# Altium PCB Graviton-EC2.PcbDoc (part 6 of 12)
Units mil, origin at the board's own origin, x right, y up, seen from the top; angles counter-clockwise.
Board outline 7874.02 x 7874.02 mil, 10 copper layers (Top Layer, Internal Plane 1, Signal Layer 1, Internal Plane 2, Signal Layer 2, Signal Layer 3, Internal Plane 3, Signal Layer 4, Internal Plane 4, Bottom Layer), stack 65.914 mil thick; 1307 components, 1540 nets, 8037 pads, 1837 vias.
Unrouted connection lines stored in the file: 117.
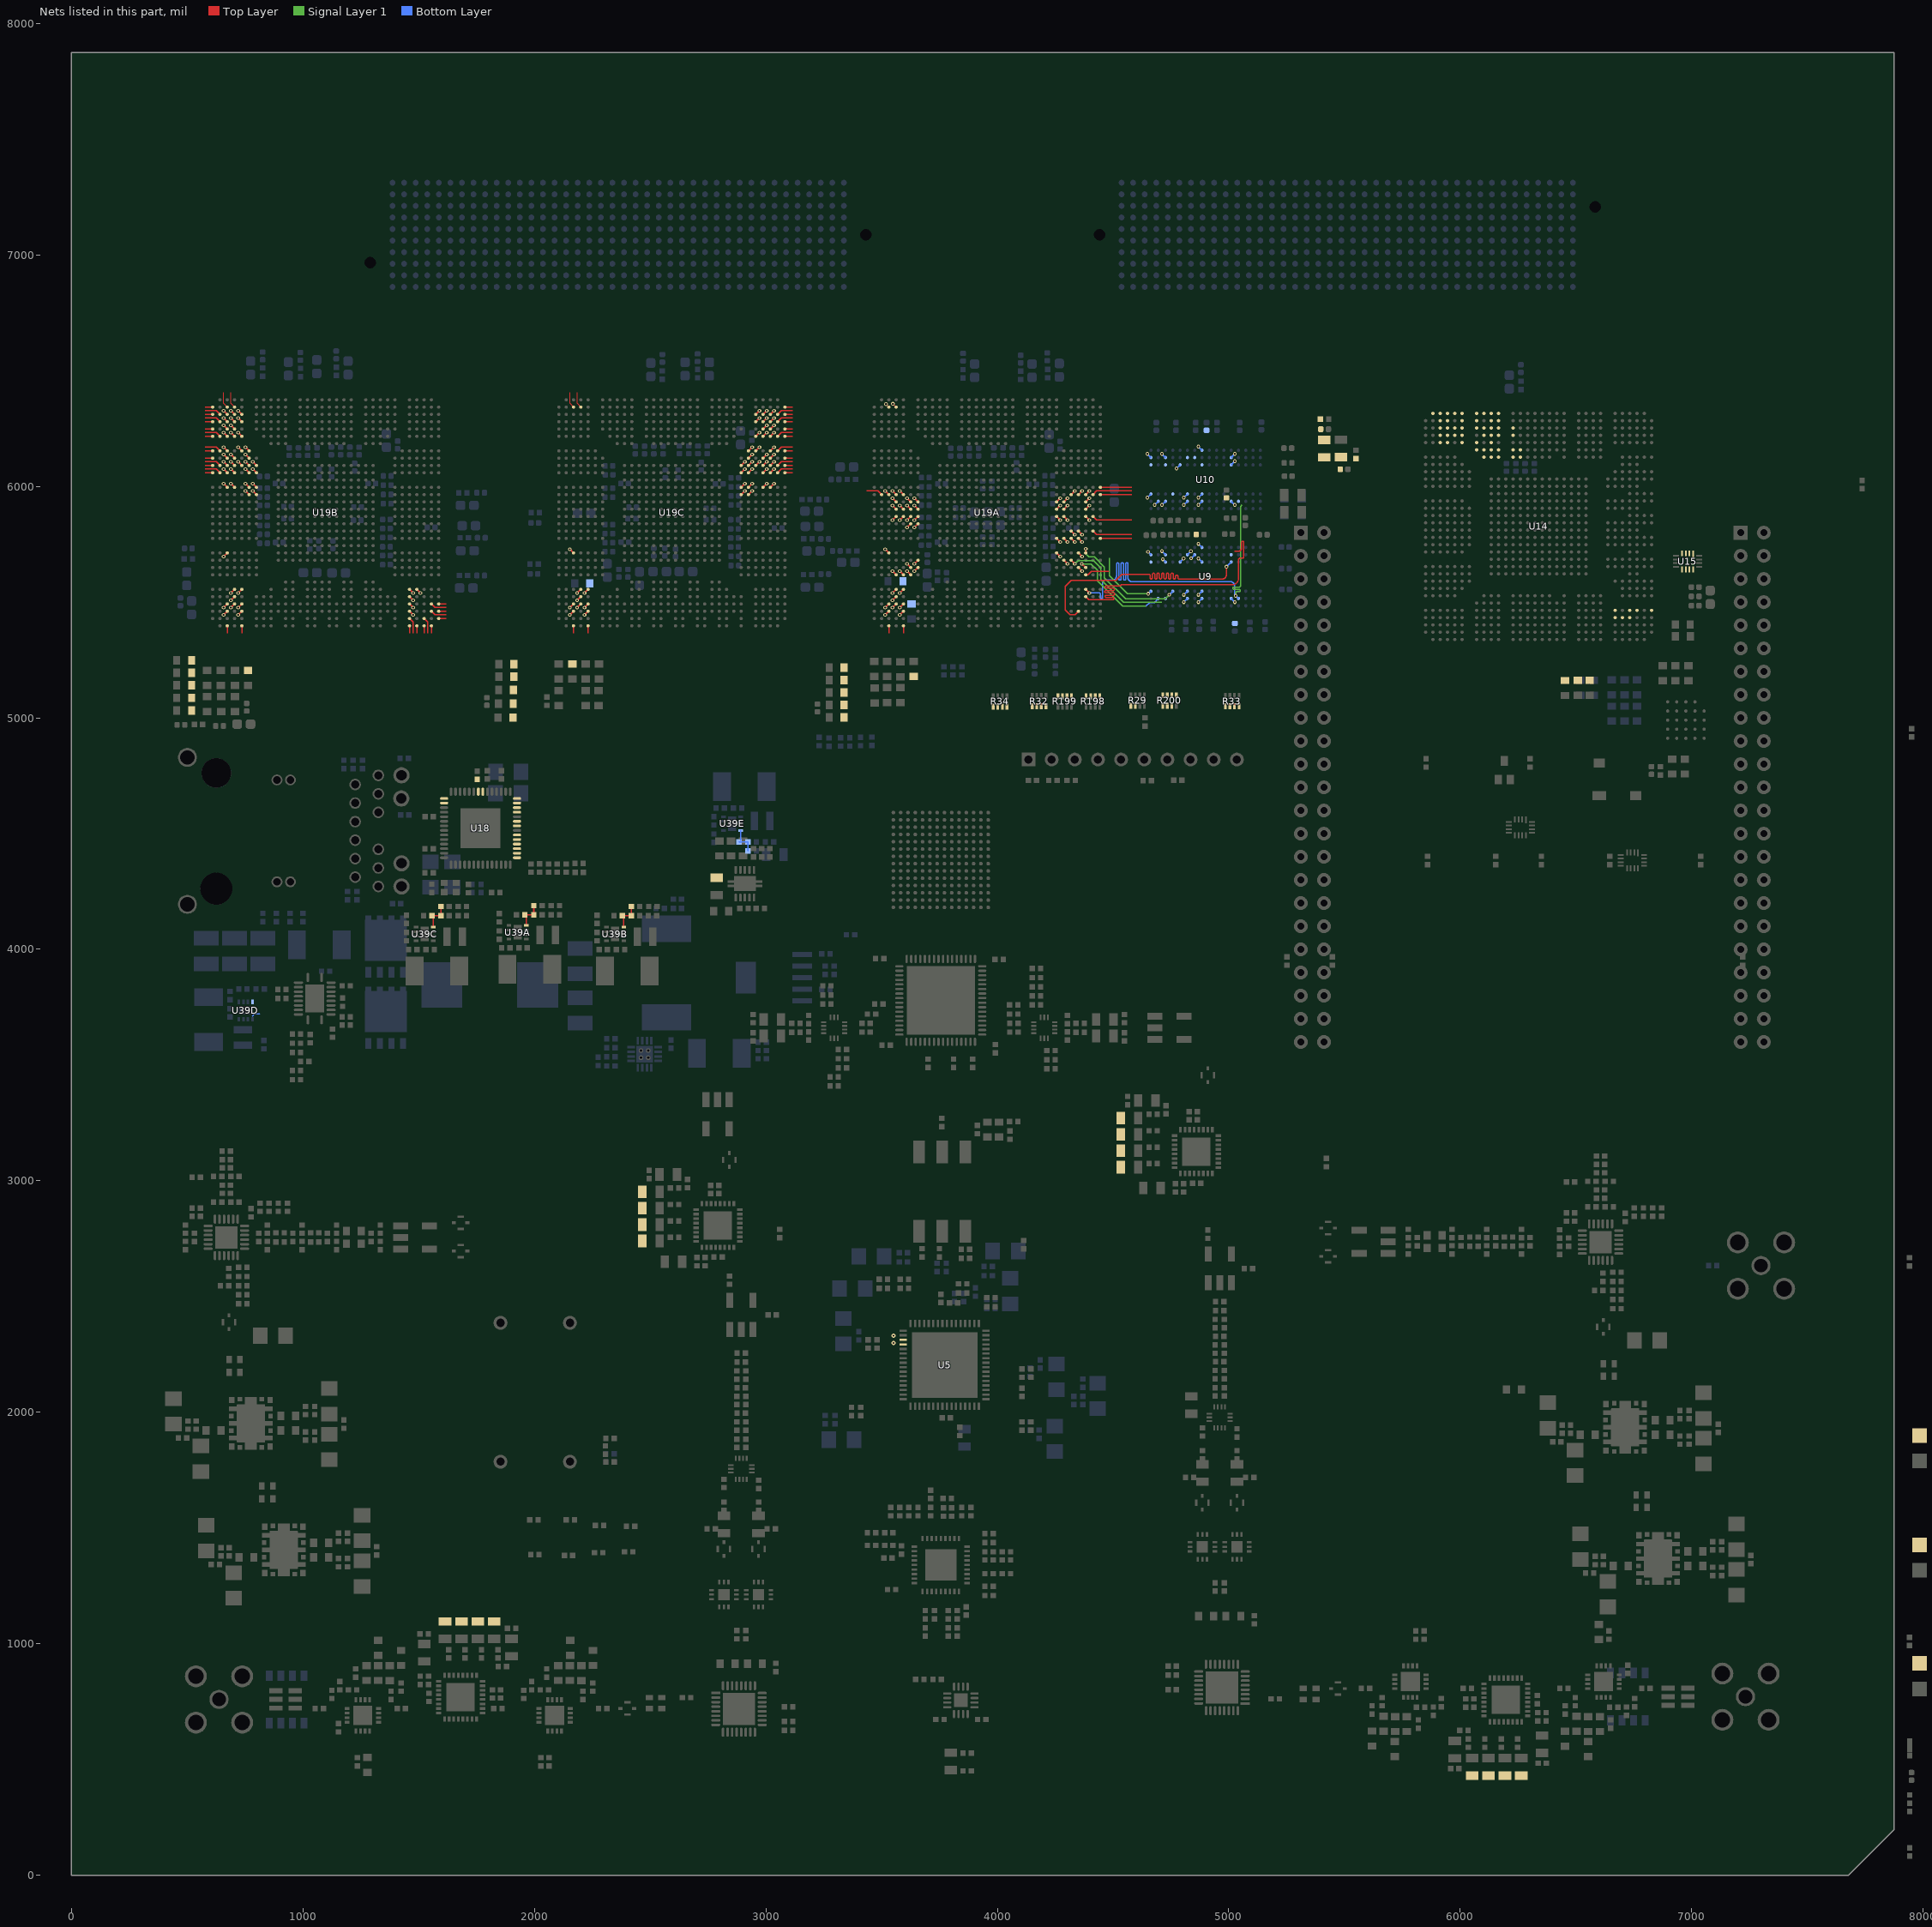
[diagram p14: the nets of this part, all layers, seen from the top]

## Via types
v1: diameter 16, hole 8, Top Layer to Bottom Layer, 1443 vias
v2: diameter 16, hole 8, Top Layer to Bottom Layer, tented top, 173 vias
v3: diameter 18, hole 8, Top Layer to Bottom Layer, 132 vias
v4: diameter 25.98, hole 8, Top Layer to Bottom Layer, tented top, 36 vias
v5: diameter 25.98, hole 12, Top Layer to Bottom Layer, tented top, 36 vias
v6: diameter 23.62, hole 11.81, Top Layer to Bottom Layer, 10 vias
v7: diameter 18, hole 8, Top Layer to Bottom Layer, tented bottom, 5 vias
v8: diameter 16, hole 8, Top Layer to Bottom Layer, tented both sides, 2 vias

## Nets (pads, with @x,y where several pads share a name; then routed paths per layer and width w, separated by ;. In a path a pad name is that pad's centre, name@x,y a point inside that pad or via, vN(x,y) a via of type N, cw(c..) or ccw(c..) an arc to the next point about the centre after c; other vN are vias at no path point) (continued)
DDR-BA0: R200.1 U9.M2 U10.M2 U19A.AH30 | length 1213.9
  Top Layer w4.72: U19A.AH30@4381.89,5523.62 4395.51,5510 4499,5510 ccw(c4499,5515) 4504,5515 ccw(c4499,5515) 4499,5520 4470,5520 cw(c4470,5525) 4465,5525 cw(c4470,5525) 4470,5530 4502.13,5530 ccw(c4502.13,5535) 4507.13,5535 ccw(c4502.13,5535) 4502.13,5540 4469.13,5540 cw(c4469.13,5545) 4464.13,5545 cw(c4469.13,5545) 4469.13,5550 4501,5550 ccw(c4501,5555) 4506,5555 ccw(c4501,5555) 4501,5560 4470,5560 cw(c4470,5565) 4465,5565 cw(c4469.14,5565) 4469.14,5569.14 ; 4470,5569.14 4502.13,5569.14 4530.39,5569.14 4536.89,5575.64 5017.39,5575.64 ccw(c5017.39,5600) 5041.75,5600
  Top Layer w4.75: 5026,5720.25 5043,5720.25 ccw(c5043,5732.25) 5055,5732.25 5055,5758 cw(c5060,5758) 5060,5763 cw(c5060,5758) 5065,5758 5065,5695 cw(c5060,5695) 5060,5690 5050,5690 ccw(c5050,5681.75) 5041.75,5681.75 5041.75,5600
  other v2: 5026,6140.25
DDR-BA1: R200.2 U9.N8 U10.N8 U19A.AG30 | length 1704
  Top Layer w5: U19A.AG30@4381.89,5555.12 v1(4397.64,5539.37)
  Signal Layer 1 w4.72: v2(5030,5527.25) 5030,5540 cw(c5035,5540) 5035,5545 5045,5545 ccw(c5045,5550) 5050,5550 ccw(c5045,5550) 5045,5555 5022.5,5555 cw(c5022.5,5560) 5017.5,5560 cw(c5022.5,5560) 5022.5,5565 5045,5565 ccw(c5045,5571) 5051,5571 5051,5913.25 5057.5,5919.75
  Bottom Layer w4.72: v1(4397.64,5539.37) 4397.64,5540 4440,5540 cw(c4440,5535) 4445,5535 4445,5520 ccw(c4450,5520) 4450,5515 ccw(c4450,5520) 4455,5520 4455,5585 cw(c4465,5585) 4465,5595 4497,5595 ccw(c4497,5613) 4515,5613 4515,5664.47 cw(c4520,5664.47) 4520,5669.47 cw(c4520,5664.47) 4525,5664.47 4525,5600 ccw(c4530,5600) 4530,5595 ccw(c4530,5600) 4535,5600 4535,5665 cw(c4540,5665) 4540,5670 cw(c4540,5665) 4545,5665 4545,5600 ccw(c4550,5600) 4550,5595 ccw(c4550,5600) 4555,5600 4555,5665 cw(c4560,5665) 4560,5670 cw(c4560,5665.25) 4564.75,5665.25 4564.75,5604.25 ccw(c4580,5604.25) 4580,5589 5006,5589 cw(c5006,5570) 5025,5570 5025,5532.25 v2(5030,5527.25) U9.N8@5041.75,5515.5
DDR-BA2: R200.3 U9.M3 U10.M3 U19A.AK29 | length 1236.1
  Top Layer w4.72: U19A.AK29@4350.39,5460.63 4335.76,5446 4314.37,5446 4294,5466.37 4294,5568.61 4319.11,5593.72 4512.72,5593.72 4539,5620 4655,5620 cw(c4655,5615) 4660,5615 4660,5605.06 ccw(c4665.06,5605.06) 4665.06,5600 ccw(c4665.06,5605) 4670.06,5605 4670.06,5620 ; 4685,5600 ccw(c4685,5605) 4685.06,5600 ; 4745.03,5600 ccw(c4745,5605) 4750,5605 4750,5620 cw(c4755,5620) 4755,5625 cw(c4755,5620) 4760,5620 4760,5605.06 ccw(c4765.06,5605.06) 4765.06,5600 ; 4745.06,5600 cw(c4745.06,5605.06) 4740,5605.06 4740,5620 ccw(c4735,5620) 4735,5625 ccw(c4735,5620) 4730,5620 4730,5605 cw(c4725,5605) 4725.03,5600 cw(c4725.06,5605.06) 4720,5605.06 4720,5620 ccw(c4715,5620) 4715,5625 ccw(c4715,5620) 4710,5620 4710,5605 cw(c4705,5605) 4705.03,5600 cw(c4705.06,5605.06) 4700,5605.06 4700,5620 ccw(c4695,5620) 4695,5625 ccw(c4695,5620) 4690,5620 4690,5605 cw(c4685,5605) 4685.06,5600 ; 4765.03,5600 ccw(c4765,5605) 4770,5605 4770,5612 cw(c4775,5612) 4775,5617 cw(c4775,5612) 4780,5612 4780,5605.06 ccw(c4785.06,5605.06) 4785.06,5600 4972,5600 ccw(c4972,5618) 4990,5618 v2(4990,5652.75) ; 4670.06,5620 cw(c4675.06,5620) 4675.06,5625 ; 4670.06,5620 cw(c4675.06,5620) 4675.06,5625 ; 4675.06,5625 cw(c4675.06,5620) 4680.06,5620 ; 4675.06,5625 cw(c4675.06,5620) 4680.06,5620 ; 4680.06,5605.06 ccw(c4685.12,5605.06) 4685.06,5600 ; 4680.06,5605.06 ccw(c4685.12,5605.06) 4685.06,5600 ; 4680.06,5605.06 4680.06,5620 ; 4685.06,5600 ccw(c4685.12,5605.06) 4685.12,5600 cw(c4685.12,5605.06) 4685.06,5600
  Bottom Layer w4.75: v2(4990,5652.75) U9.M3@5010.25,5673
  other v2: 5026,6108.75
DDR-D0: U10.E3 U19A.P28 | length 22.3
  Top Layer w5: U19A.P28@4318.9,5964.57 v1(4334.65,5980.32)
  other v2: 4774,6077.25
DDR-D1: U10.F7 U19A.P29 | length 22.3
  Top Layer w5: U19A.P29@4350.39,5964.57 v1(4366.14,5980.32)
  other v2: 4805.5,5951.25
DDR-D2: U10.F2 U19A.R26 | length 22.3
  Top Layer w5: U19A.R26@4255.91,5933.07 v1(4271.65,5948.82)
DDR-D3: U10.F8 U19A.T26 | length 22.3
  Top Layer w5: U19A.T26@4255.91,5901.57 v1(4271.65,5917.32)
  other v2: 4805.5,5919.75
DDR-D4: U10.H3 U19A.R27 | length 22.3
  Top Layer w5: U19A.R27@4287.4,5933.07 v1(4303.15,5948.82)
DDR-D5: U10.H8 U19A.T27 | length 22.3
  Top Layer w5: U19A.T27@4287.4,5901.57 v1(4303.15,5917.32)
  other v2: 4868.5,5919.75
DDR-D6: U10.G2 U19A.U27 | length 22.3
  Top Layer w5: U19A.U27@4287.4,5870.08 v1(4303.15,5854.33)
DDR-D7: U10.H7 U19A.U26 | length 22.3
  Top Layer w5: U19A.U26@4255.91,5870.08 v1(4271.65,5854.33)
  other v2: 4868.5,5951.25
DDR-D8: U10.D7 U19A.P31 | length 173.1
  Top Layer w4.72: U19A.P31@4413.39,5964.57 4429.13,5980.32 4580,5980.32
DDR-D9: U10.C3 U19A.P30 | length 22.3
  Top Layer w5: U19A.P30@4381.89,5964.57 v1(4397.64,5980.32)
DDR-D10: U10.C8 U19A.R30 | length 22.3
  Top Layer w5: U19A.R30@4381.89,5933.07 v1(4397.64,5948.82)
  other v2: 4711,5919.75
DDR-D11: U10.C2 U19A.T30 | length 22.3
  Top Layer w5: U19A.T30@4381.89,5901.57 v1(4397.64,5917.32)
  other v2: 4711,6140.25
DDR-D12: U10.A7 U19A.N32 | length 135.1
  Top Layer w4.72: U19A.N32@4444.88,5996.06 4580,5996.06
  other v2: 4648,5951.25
DDR-D13: U10.A2 U19A.P32 | length 135.1
  Top Layer w4.72: U19A.P32@4444.88,5964.57 4580,5964.57
  other v2: 4648,6140.25
DDR-D14: U10.B8 U19A.U31 | length 173.1
  Top Layer w4.72: U19A.U31@4413.39,5870.08 4429.13,5854.33 4580,5854.33
  other v2: 4679.5,5919.75
DDR-D15: U10.A3 U19A.U30 | length 22.3
  Top Layer w5: U19A.U30@4381.89,5870.08 v1(4397.64,5854.33)
DDR-D16: U9.E3 U19A.Y26 | length 43.8
  Top Layer w5: U19A.Y26@4255.91,5775.59 v1(4271.65,5759.84)
  Bottom Layer w4.75: U9.E3@4789.75,5673 v2(4805,5688.25)
DDR-D17: U9.F7 U19A.Y27 | length 22.3
  Top Layer w5: U19A.Y27@4287.4,5775.59 v1(4303.15,5759.84)
  other v2: 4805.5,5531.25
DDR-D18: U9.F2 U19A.Y28 | length 43.8
  Top Layer w5: U19A.Y28@4318.9,5775.59 v1(4334.65,5759.84)
  Bottom Layer w4.75: U9.F2@4821.25,5704.5 v2(4836.5,5719.75)
DDR-D19: U9.F8 U19A.W28 | length 22.3
  Top Layer w5: U19A.W28@4318.9,5807.09 v1(4334.65,5791.34)
  other v2: 4805.5,5499.75
DDR-D20: U9.H3 U19A.Y29 | length 43.8
  Top Layer w5: U19A.Y29@4350.39,5775.59 v1(4366.14,5759.84)
  Bottom Layer w4.75: v2(4869,5688.25) U9.H3@4884.25,5673
DDR-D21: U9.H8 U19A.W29 | length 22.3
  Top Layer w5: U19A.W29@4350.39,5807.09 v1(4366.14,5791.34)
  other v2: 4868.5,5499.75
DDR-D22: U9.G2 U19A.AB26 | length 43.8
  Top Layer w5: U19A.AB26@4255.91,5712.6 v1(4271.65,5696.85)
  Bottom Layer w4.75: v2(4837.5,5689.25) U9.G2@4852.75,5704.5
DDR-D23: U9.H7 U19A.AC27 | length 22.3
  Top Layer w5: U19A.AC27@4287.4,5681.1 v1(4303.15,5665.35)
  other v2: 4868.5,5531.25
DDR-D24: U9.D7 U19A.AB30 | length 538.9
  Top Layer w5: U19A.AB30@4381.89,5712.6 4380,5714.49 4382,5716.49 v1(4382,5730)
  Signal Layer 1 w4.75: 4395,5695 4420,5695 4463,5652 4463,5604.89 4553.89,5514 4725.25,5514 v2(4743,5531.75)
  Signal Layer 1 w5: v1(4382,5730) 4382,5708 4395,5695
  Bottom Layer w4.75: v2(4743,5531.75) U9.D7@4758.25,5547
DDR-D25: U9.C3 U19A.AB29 | length 39.2
  Top Layer w5: U19A.AB29@4350.39,5712.6 v1(4366.14,5696.85)
  Bottom Layer w4.75: v2(4714.75,5685) U9.C3@4726.75,5673
DDR-D26: U9.C8 U19A.AC28 | length 508.8
  Top Layer w5: U19A.AC28@4318.9,5681.1 v1(4334.65,5665.35)
  Signal Layer 1 w4.75: 4415,5680 4446.65,5648.35 4446.65,5598.11 4545.01,5499.75 4711,5499.75
  Signal Layer 1 w5: v1(4334.65,5665.35) 4349.29,5680 4415,5680
DDR-D27: U9.C2 U19A.AD29 | length 22.3
  Top Layer w5: U19A.AD29@4350.39,5649.61 v1(4366.14,5633.86)
  other v2: 4711,5720.25
DDR-D28: U9.A7 U19A.W31 | length 464.8
  Top Layer w4.72: U19A.W31@4413.39,5807.09 4429.13,5791.34 4580,5791.34
  Signal Layer 1 w4.75: 4485,5690 4485,5614 4563,5536 v2(4652,5536)
  Bottom Layer w4.75: v2(4652,5536) 4652.75,5536 U9.A7@4663.75,5547
DDR-D29: U9.A2 U19A.Y32 | length 153.1
  Top Layer w4.72: U19A.Y32@4444.88,5775.59 4580,5775.59
  Bottom Layer w4.75: v2(4651,5717.25) U9.A2@4663.75,5704.5
DDR-D30: U9.B8 U19A.AD30 | length 470.1
  Top Layer w5: v1(4365,5665) 4366.5,5665 U19A.AD30@4381.89,5649.61
  Signal Layer 1 w4.75: 4431.98,5638.02 4431.98,5592.04 4542.01,5482 4641.42,5482
  Signal Layer 1 w5: v1(4365,5665) 4405,5665 4431.98,5638.02
  Bottom Layer w4.75: 4641.42,5482 4657.8,5498.38 4678.12,5498.38 U9.B8@4695.25,5515.5
DDR-D31: U9.A3 U19A.AE30 | length 106.7
  Top Layer w4.75: U19A.AE30@4381.89,5618.11 4392.03,5618.11 4406.49,5632.57 4482.57,5632.57
DDRCC2.S0C: U19C.P27 | length 22.3
  Top Layer w5: U19C.P27@2925.2,5964.57 v1(2940.94,5980.32)
DDRCC2.S1C: U19C.P26 | length 22.3
  Top Layer w5: U19C.P26@2893.7,5964.57 v1(2909.45,5980.32)
DDRCC2.S2C: U19C.N26 | length 22.3
  Top Layer w5: U19C.N26@2893.7,5996.06 v1(2909.45,6011.81)
DDRCC2.S3C: U19C.N27 | length 22.3
  Top Layer w5: U19C.N27@2925.2,5996.06 v1(2940.94,6011.81)
DDRCC2.S4C: U19C.L27 | length 22.3
  Top Layer w5: U19C.L27@2925.2,6059.06 v1(2940.94,6074.8)
DDRCC2.S5C: U19C.L26 | length 22.3
  Top Layer w5: U19C.L26@2893.7,6059.06 v1(2909.45,6074.8)
DDRCC2.S6C: U19C.N29 | length 22.3
  Top Layer w5: U19C.N29@2988.19,5996.06 v1(3003.94,6011.81)
DDRCC2.S7C: U19C.N30 | length 22.3
  Top Layer w5: U19C.N30@3019.69,5996.06 v1(3035.43,6011.81)
DDRCC2.S8C: U19C.L29 | length 22.3
  Top Layer w5: U19C.L29@2988.19,6059.06 v1(3003.94,6074.8)
DDRCC2.S9C: U19C.K28 | length 22.3
  Top Layer w5: U19C.K28@2956.69,6090.55 v1(2972.44,6106.3)
DDRCC2.S10C: U19C.K26 | length 22.3
  Top Layer w5: U19C.K26@2893.7,6090.55 v1(2909.45,6106.3)
DDRCC2.S11C: U19C.K27 | length 22.3
  Top Layer w5: U19C.K27@2925.2,6090.55 v1(2940.94,6106.3)
DDRCC2.S12C: U19C.J27 | length 22.3
  Top Layer w5: U19C.J27@2925.2,6122.05 v1(2940.94,6137.8)
DDRCC2.S13C: U19C.H28 | length 22.3
  Top Layer w5: U19C.H28@2956.69,6153.54 v1(2972.44,6169.29)
DDRCC2.S14C: U19C.H27 | length 22.3
  Top Layer w5: U19C.H27@2925.2,6153.54 v1(2940.94,6169.29)
DDRCC2.S15C: U19C.K29 | length 22.3
  Top Layer w5: U19C.K29@2988.19,6090.55 v1(3003.94,6106.3)
DDRCC2.S16C: U19C.J29 | length 22.3
  Top Layer w5: U19C.J29@2988.19,6122.05 v1(3003.94,6137.8)
DDRCC2.S17C: U19C.L30 | length 22.3
  Top Layer w5: U19C.L30@3019.69,6059.06 v1(3035.43,6074.8)
DDRCC2.S18C: U19C.L31 | length 70.1
  Top Layer w4.72: U19C.L31@3051.18,6059.06 3066.93,6074.8 3114.76,6074.8
DDRCC2.S19C: U19C.L32 | length 32.1
  Top Layer w4.72: U19C.L32@3082.68,6059.06 3114.76,6059.06
DDRCC2.S20C: U19C.K32 | length 32.1
  Top Layer w4.72: U19C.K32@3082.68,6090.55 3114.76,6090.55
DDRCC2.S21C: U19C.J32 | length 32.1
  Top Layer w4.72: U19C.J32@3082.68,6122.05 3114.76,6122.05
DDRCC2.S22C: U19C.K31 | length 70.1
  Top Layer w4.72: U19C.K31@3051.18,6090.55 3066.93,6106.3 3114.76,6106.3
DDRCC2.S23C: U19C.K30 | length 22.3
  Top Layer w5: U19C.K30@3019.69,6090.55 v1(3035.43,6106.3)
DDRCC2.S24C: U19C.J30 | length 22.3
  Top Layer w5: U19C.J30@3019.69,6122.05 v1(3035.43,6137.8)
DDRCC2.S25C: U19C.H30 | length 22.3
  Top Layer w5: U19C.H30@3019.69,6153.54 v1(3035.43,6169.29)
DDRCC2.S26C: U19C.H31 | length 70.1
  Top Layer w4.72: U19C.H31@3051.18,6153.54 3066.93,6169.29 3114.76,6169.29
DDRCC2.S27C: U19C.H32 | length 32.1
  Top Layer w4.72: U19C.H32@3082.68,6153.54 3114.76,6153.54
DDRCC2.S28C: U19C.F32 | length 32.1
  Top Layer w4.72: U19C.F32@3082.68,6216.54 3114.76,6216.54
DDRCC2.S29C: U19C.E32 | length 32.1
  Top Layer w4.72: U19C.E32@3082.68,6248.03 3114.76,6248.03
DDRCC2.S30C: U19C.F31 | length 70.1
  Top Layer w4.72: U19C.F31@3051.18,6216.54 3066.93,6232.28 3114.76,6232.28
DDRCC2.S31C: U19C.D32 | length 32.1
  Top Layer w4.72: U19C.D32@3082.68,6279.53 3114.76,6279.53
DDRCC2.S32C: U19C.C32 | length 32.1
  Top Layer w4.72: U19C.C32@3082.68,6311.02 3114.76,6311.02
DDRCC2.S33C: U19C.E30 | length 22.3
  Top Layer w5: U19C.E30@3019.69,6248.03 v1(3035.43,6263.78)
DDRCC2.S34C: U19C.F30 | length 22.3
  Top Layer w5: U19C.F30@3019.69,6216.54 v1(3035.43,6232.28)
DDRCC2.S35C: U19C.D31 | length 70.1
  Top Layer w4.72: U19C.D31@3051.18,6279.53 3066.93,6295.28 3114.76,6295.28
DDRCC2.S36C: U19C.D30 | length 22.3
  Top Layer w5: U19C.D30@3019.68,6279.53 v1(3035.43,6295.28)
DDRCC2.S37C: U19C.C31 | length 70.1
  Top Layer w4.72: U19C.C31@3051.18,6311.02 3066.93,6326.77 3114.76,6326.77
DDRCC2.S38C: U19C.B32 | length 32.1
  Top Layer w4.72: U19C.B32@3082.68,6342.52 3114.76,6342.52
DDRCC2.S39C: U19C.F28 | length 22.3
  Top Layer w5: U19C.F28@2956.69,6216.54 v1(2972.44,6232.28)
DDRCC2.S40C: U19C.F29 | length 22.3
  Top Layer w5: U19C.F29@2988.19,6216.54 v1(3003.94,6232.28)
DDRCC2.S41C: U19C.E29 | length 22.3
  Top Layer w5: U19C.E29@2988.19,6248.03 v1(3003.94,6263.78)
DDRCC2.S42C: U19C.D29 | length 22.3
  Top Layer w5: U19C.D29@2988.19,6279.53 v1(3003.94,6295.28)
DDRCC2.S43C: U19C.C30 | length 22.3
  Top Layer w5: U19C.C30@3019.69,6311.02 v1(3035.43,6326.77)
DDRCC2.S44C: U19C.C29 | length 22.3
  Top Layer w5: U19C.C29@2988.19,6311.02 v1(3003.94,6326.77)
DDRCC2.S45C: U19C.D28 | length 22.3
  Top Layer w5: U19C.D28@2956.69,6279.53 v1(2972.44,6295.28)
DDRCC2.S46C: U19C.C28 | length 22.3
  Top Layer w5: U19C.C28@2956.69,6311.02 v1(2972.44,6326.77)
DDRCC6.S47A: U19A.AB3 | length 22.3
  Top Layer w5: v1(3515.75,5728.35) U19A.AB3@3531.5,5712.6
DDRCC6.S47B: U19B.AB3 | length 22.3
  Top Layer w5: v1(657.48,5696.85) U19B.AB3@673.23,5712.6
DDRCC6.S47C: U19C.AB3 | length 22.3
  Top Layer w5: v1(2153.54,5728.35) U19C.AB3@2169.29,5712.6
DDRCC7.S0B: U19B.P6 | length 22.3
  Top Layer w5: v1(751.97,5980.32) U19B.P6@767.72,5964.57
DDRCC7.S1B: U19B.P7 | length 22.3
  Top Layer w5: v1(783.46,5980.32) U19B.P7@799.21,5964.57
DDRCC7.S2B: U19B.C4 | length 22.3
  Top Layer w5: v1(688.98,6326.77) U19B.C4@704.72,6311.02
DDRCC7.S3B: U19B.C3 | length 22.3
  Top Layer w5: v1(657.48,6326.77) U19B.C3@673.23,6311.02
DDRCC7.S4B: U19B.D4 | length 22.3
  Top Layer w5: v1(688.98,6295.28) U19B.D4@704.72,6279.53
DDRCC7.S5B: U19B.E4 | length 22.3
  Top Layer w5: v1(688.98,6263.78) U19B.E4@704.72,6248.03
DDRCC7.S6B: U19B.F4 | length 22.3
  Top Layer w5: v1(688.98,6232.28) U19B.F4@704.72,6216.54
DDRCC7.S7B: U19B.F5 | length 22.3
  Top Layer w5: v1(720.47,6232.28) U19B.F5@736.22,6216.54
DDRCC7.S8B: U19B.B1 | length 32.1
  Top Layer w4.72: 578.15,6342.52 U19B.B1@610.24,6342.52
DDRCC7.S9B: U19B.C2 | length 70.1
  Top Layer w4.72: 578.15,6326.77 625.98,6326.77 U19B.C2@641.73,6311.02
DDRCC7.S10B: U19B.D3 | length 22.3
  Top Layer w5: v1(657.48,6295.28) U19B.D3@673.23,6279.53
DDRCC7.S11B: U19B.D2 | length 70.1
  Top Layer w4.72: 578.15,6295.28 625.98,6295.28 U19B.D2@641.73,6279.53
DDRCC7.S12B: U19B.F3 | length 22.3
  Top Layer w5: v1(657.48,6232.28) U19B.F3@673.23,6216.54
DDRCC7.S13B: U19B.E3 | length 22.3
  Top Layer w5: v1(657.48,6263.78) U19B.E3@673.23,6248.03
DDRCC7.S14B: U19B.C1 | length 32.1
  Top Layer w4.72: 578.15,6311.02 U19B.C1@610.24,6311.02
DDRCC7.S15B: U19B.D1 | length 32.1
  Top Layer w4.72: 578.15,6279.53 U19B.D1@610.24,6279.53
DDRCC7.S16B: U19B.F2 | length 70.1
  Top Layer w4.72: 578.15,6232.28 625.98,6232.28 U19B.F2@641.73,6216.54
DDRCC7.S17B: U19B.E1 | length 32.1
  Top Layer w4.72: 578.15,6248.03 U19B.E1@610.24,6248.03
DDRCC7.S18B: U19B.F1 | length 32.1
  Top Layer w4.72: 578.15,6216.54 U19B.F1@610.24,6216.54
DDRCC7.S19B: U19B.H1 | length 32.1
  Top Layer w4.72: 578.15,6153.54 U19B.H1@610.24,6153.54
DDRCC7.S20B: U19B.H2 | length 70.1
  Top Layer w4.72: 578.15,6169.29 625.98,6169.29 U19B.H2@641.73,6153.54
DDRCC7.S21B: U19B.H3 | length 22.3
  Top Layer w5: v1(657.48,6169.29) U19B.H3@673.23,6153.54
DDRCC7.S22B: U19B.J3 | length 22.3
  Top Layer w5: v1(657.48,6137.8) U19B.J3@673.23,6122.05
DDRCC7.S23B: U19B.K3 | length 22.3
  Top Layer w5: v1(657.48,6106.3) U19B.K3@673.23,6090.55
DDRCC7.S24B: U19B.K2 | length 70.1
  Top Layer w4.72: 578.15,6106.3 625.98,6106.3 U19B.K2@641.73,6090.55
DDRCC7.S25B: U19B.J1 | length 32.1
  Top Layer w4.72: 578.15,6122.05 U19B.J1@610.24,6122.05
DDRCC7.S26B: U19B.K1 | length 32.1
  Top Layer w4.72: 578.15,6090.55 U19B.K1@610.24,6090.55
DDRCC7.S27B: U19B.L1 | length 32.1
  Top Layer w4.72: 578.15,6059.06 U19B.L1@610.24,6059.06
DDRCC7.S28B: U19B.L2 | length 70.1
  Top Layer w4.72: 578.15,6074.8 625.98,6074.8 U19B.L2@641.73,6059.06
DDRCC7.S29B: U19B.L3 | length 22.3
  Top Layer w5: v1(657.48,6074.8) U19B.L3@673.23,6059.06
DDRCC7.S30B: U19B.J4 | length 22.3
  Top Layer w5: v1(688.98,6137.8) U19B.J4@704.72,6122.05
DDRCC7.S31B: U19B.K4 | length 22.3
  Top Layer w5: v1(688.98,6106.3) U19B.K4@704.72,6090.55
DDRCC7.S32B: U19B.H6 | length 22.3
  Top Layer w5: v1(751.97,6169.29) U19B.H6@767.72,6153.54
DDRCC7.S33B: U19B.H5 | length 22.3
  Top Layer w5: v1(720.47,6169.29) U19B.H5@736.22,6153.54
DDRCC7.S34B: U19B.J6 | length 22.3
  Top Layer w5: v1(751.97,6137.8) U19B.J6@767.72,6122.05
DDRCC7.S35B: U19B.K6 | length 22.3
  Top Layer w5: v1(751.97,6106.3) U19B.K6@767.72,6090.55
DDRCC7.S36B: U19B.K7 | length 22.3
  Top Layer w5: v1(783.46,6106.3) U19B.K7@799.21,6090.55
DDRCC7.S37B: U19B.K5 | length 22.3
  Top Layer w5: v1(720.47,6106.3) U19B.K5@736.22,6090.55
DDRCC7.S38B: U19B.L4 | length 22.3
  Top Layer w5: v1(688.98,6074.8) U19B.L4@704.72,6059.06
DDRCC7.S39B: U19B.N3 | length 22.3
  Top Layer w5: v1(657.48,6011.81) U19B.N3@673.23,5996.06
DDRCC7.S40B: U19B.N4 | length 22.3
  Top Layer w5: v1(688.98,6011.81) U19B.N4@704.72,5996.06
DDRCC7.S41B: U19B.L7 | length 22.3
  Top Layer w5: v1(783.46,6074.8) U19B.L7@799.21,6059.06
DDRCC7.S42B: U19B.L6 | length 22.3
  Top Layer w5: v1(751.97,6074.8) U19B.L6@767.72,6059.06
DDRCC7.S43B: U19B.N6 | length 22.3
  Top Layer w5: v1(751.97,6011.81) U19B.N6@767.72,5996.06
DDRCC7.S44B: U19B.N7 | length 22.3
  Top Layer w5: v1(783.46,6011.81) U19B.N7@799.21,5996.06
DDRCC7.S45B: U19B.C5 | length 22.3
  Top Layer w5: v1(720.47,6326.77) U19B.C5@736.22,6311.02
DDRCC7.S46B: U19B.D5 | length 22.3
  Top Layer w5: v1(720.47,6295.28) U19B.D5@736.22,6279.53
DDRVREF: C127.2 C128.2 C133.2 C136.2 C148.2 C150.2 R36.1 R113.2 U9.H1 U9.M8 U10.H1 U10.M8
  other v2: 5026,5499.75 4868.5,5751.75 5026,5919.75 4868.5,6171.75
DDRVTT: C134.2 C137.2 R29.5 R29.6 R32.5 R32.6 R32.7 R32.8 R33.5 R33.6 R33.7 R33.8 R34.5 R34.6 R34.7 R34.8 R36.2 R37.1 R198.5 R198.6 R198.7 R198.8 R199.5 R199.6 R199.7 R199.8 R200.5 R200.6 R200.7 R200.8
DSA-CTRL0.D3: FB9A.2 U19B.AM28 | length 32.1
  Top Layer w4.72: 1460.63,5365.55 U19B.AM28@1460.63,5397.64
DSA-CTRL0.D4: FB8A.2 U19B.AM29 | length 32.1
  Top Layer w4.72: 1492.13,5365.55 U19B.AM29@1492.13,5397.64
DSA-CTRL0.D5: FB7A.2 U19B.AL28 | length 70.1
  Top Layer w4.72: U19B.AL28@1460.63,5429.13 1476.38,5413.39 1476.38,5365.55
DSA-CTRL0.D6: FB6A.2 U19B.AK28 | length 22.3
  Top Layer w5: U19B.AK28@1460.63,5460.63 v1(1476.38,5444.88)
DSA-CTRL1.D3: FB9B.2 U19B.AK32 | length 32.1
  Top Layer w4.72: U19B.AK32@1586.61,5460.63 1618.7,5460.63
DSA-CTRL1.D4: FB8B.2 U19B.AJ32 | length 32.1
  Top Layer w4.72: U19B.AJ32@1586.61,5492.13 1618.7,5492.13
DSA-CTRL1.D5: FB7B.2 U19B.AM30 | length 32.1
  Top Layer w4.72: 1523.62,5365.55 U19B.AM30@1523.62,5397.64
DSA-CTRL1.D6: FB6B.2 U19B.AL30 | length 70.1
  Top Layer w4.72: U19B.AL30@1523.62,5429.13 1539.37,5413.39 1539.37,5365.55
DSA-CTRL2.D3: FB9C.2 U19B.AK31 | length 70.1
  Top Layer w4.72: U19B.AK31@1555.12,5460.63 1570.87,5444.88 1618.7,5444.88
DSA-CTRL2.D4: FB8C.2 U19B.AJ31 | length 70.1
  Top Layer w4.72: U19B.AJ31@1555.12,5492.13 1570.87,5476.38 1618.7,5476.38
DSA-CTRL2.D5: FB7C.2 U19B.AM31 | length 32.1
  Top Layer w4.72: 1555.12,5365.55 U19B.AM31@1555.12,5397.64
DSA-CTRL2.D6: FB6C.2 U19B.AL32 | length 32.1
  Top Layer w4.72: U19B.AL32@1586.61,5429.13 1618.7,5429.13
DSA-CTRL3.D3: FB9D.2 U19B.AG28 | length 22.3
  Top Layer w5: U19B.AG28@1460.63,5555.12 v1(1476.38,5539.37)
DSA-CTRL3.D4: FB8D.2 U19B.AG29 | length 22.3
  Top Layer w5: U19B.AG29@1492.13,5555.12 v1(1507.87,5539.37)
DSA-CTRL3.D5: FB7D.2 U19B.AJ28 | length 22.3
  Top Layer w5: U19B.AJ28@1460.63,5492.13 v1(1476.38,5476.38)
DSA-CTRL3.D6: FB6D.2 U19B.AH28 | length 22.3
  Top Layer w5: U19B.AH28@1460.63,5523.62 v1(1476.38,5507.87)
ENET2-DDRCC6.S0: U18.46 U19A.P5 | length 22.3
  Top Layer w5: v1(3578.74,5980.32) U19A.P5@3594.49,5964.57
ENET2-DDRCC6.S1: U19A.P4 | length 22.3
  Top Layer w5: v1(3547.24,5980.32) U19A.P4@3562.99,5964.57
ENET2-DDRCC6.S2: U18.43 U19A.R7 | length 22.3
  Top Layer w5: v1(3641.73,5948.82) U19A.R7@3657.48,5933.07
ENET2-DDRCC6.S3: U18.44 U19A.T7 | length 22.3
  Top Layer w5: v1(3641.73,5917.32) U19A.T7@3657.48,5901.57
ENET2-DDRCC6.S4: U18.45 U19A.R6 | length 22.3
  Top Layer w5: v1(3610.24,5948.82) U19A.R6@3625.98,5933.07
ENET2-DDRCC6.S5: U18.47 U19A.T6 | length 22.3
  Top Layer w5: v1(3610.24,5917.32) U19A.T6@3625.98,5901.57
ENET2-DDRCC6.S6: U18.48 U19A.U6 | length 22.3
  Top Layer w5: v1(3610.24,5854.33) U19A.U6@3625.98,5870.08
ENET2-DDRCC6.S7: U18.50 U19A.U7 | length 22.3
  Top Layer w5: v1(3641.73,5854.33) U19A.U7@3657.48,5870.08
ENET2-DDRCC6.S8: U18.51 U19A.R4 | length 22.3
  Top Layer w5: v1(3547.24,5948.82) U19A.R4@3562.99,5933.07
ENET2-DDRCC6.S9: U18.53 U19A.T5 | length 22.3
  Top Layer w5: v1(3578.74,5917.32) U19A.T5@3594.49,5901.57
ENET2-DDRCC6.S10: U18.54 U19A.T4 | length 22.3
  Top Layer w5: v1(3547.24,5917.32) U19A.T4@3562.99,5901.57
ENET2-DDRCC6.S11: U18.55 U19A.U5 | length 22.3
  Top Layer w5: v1(3578.74,5854.33) U19A.U5@3594.49,5870.08
ENET2-DDRCC6.S12: U18.56 U19A.U4 | length 22.3
  Top Layer w5: v1(3547.24,5854.33) U19A.U4@3562.99,5870.08
ENET2-DDRCC6.S13: U18.16 U19A.V6 | length 22.3
  Top Layer w5: v1(3610.24,5822.83) U19A.V6@3625.98,5838.58
ENET2-DDRCC6.S14: R66.1 U18.8 U19A.V7 | length 22.3
  Top Layer w5: v1(3641.73,5822.83) U19A.V7@3657.48,5838.58
ENET2-DDRCC6.S15: U18.7 U19A.P2 | length 70.1
  Top Layer w4.72: 3436.42,5980.32 3484.25,5980.32 U19A.P2@3500,5964.57
ENET2-DDRCC6.S16: U18.15 U19A.P3 | length 22.3
  Top Layer w5: v1(3515.75,5980.32) U19A.P3@3531.5,5964.57
ENET2-DDRCC6.S41: U19A.AC7 | length 22.3
  Top Layer w5: v1(3641.73,5665.35) U19A.AC7@3657.48,5681.1
ENET2-DDRCC6.S42: U19A.AD7 | length 22.3
  Top Layer w5: v1(3641.73,5633.86) U19A.AD7@3657.48,5649.61
ENET2-DDRCC6.S43: U19A.AD6 | length 22.3
  Top Layer w5: v1(3610.24,5665.35) U19A.AD6@3625.98,5649.61
ENET2-DDRCC6.S44: U19A.AE6 | length 22.3
  Top Layer w5: v1(3610.24,5633.86) U19A.AE6@3625.98,5618.11
ENET2-DDRCC6.S45: U19A.AE5 | length 22.3
  Top Layer w5: v1(3578.74,5633.86) U19A.AE5@3594.49,5618.11
ENET2-DDRCC6.S46: U19A.AE4 | length 22.3
  Top Layer w5: v1(3547.24,5633.86) U19A.AE4@3562.99,5618.11
FBA: C365.1 R115.1 R117.2 U39A.4 | length 118.7
  Top Layer w5.98: R117.2@1958.86,4149.61 R115.1@1997.83,4149.61 C365.1@1997.83,4188.98 ; U39A.4@1965.12,4102.99 R117.2@1965.12,4143.35
FBB: C377.2 R122.2 R124.1 U39B.4 | length 125.2
  Top Layer w5.98: R124.1@2380.12,4145.67 R122.2@2419.09,4145.67 C377.2@2419.09,4185.04 ; U39B.4@2386.38,4096.1 R124.1@2386.38,4142.95
FBC: C364.1 R114.1 R116.2 U39C.4 | length 121.7
  Top Layer w5.98: R116.2@1557.28,4145.67 R114.1@1596.26,4145.67 C364.1@1596.26,4185.04 ; U39C.4@1563.54,4096.1 R116.2@1563.54,4139.41
FBD: C378.1 R123.1 R126.2 U39D.4 | length 35.4
  Bottom Layer w5.98: 782.13,3712.05 791.97,3721.89 813.43,3721.89
FBE: C328.1 R88.1 R90.2 U39E.4 | length 119.9
  Bottom Layer w5.98: R90.2@2884.06,4464.57 R88.1@2923.03,4464.57 C328.1@2923.03,4425.2 ; R90.2@2891.73,4472.24 U39E.4@2891.73,4513.78
FPGA-CLK0_N: U13.14 U19C.B4 | length 70.1
  Top Layer w2.99: 2185.04,6406.1 2185.04,6358.27 U19C.B4@2200.79,6342.52
FPGA-CLK0_P: U13.15 U19C.B3 | length 70.1
  Top Layer w2.99: 2153.54,6406.1 2153.54,6358.27 U19C.B3@2169.29,6342.52
FPGA-CLK1_N: U13.11 U19B.B4 | length 70.1
  Top Layer w2.99: 688.98,6406.1 688.98,6358.27 U19B.B4@704.72,6342.52
FPGA-CLK1_P: U13.12 U19B.B3 | length 70.1
  Top Layer w2.99: 657.48,6406.1 657.48,6358.27 U19B.B3@673.23,6342.52
FPGA-CLK2_N: U13.9 U19A.B4 | length 19.8
  Top Layer w2.99: v1(3549,6356.51) U19A.B4@3562.99,6342.52
FPGA-CLK2_P: U13.10 U19A.B3 | length 17.6
  Top Layer w2.99: v1(3519.02,6355) U19A.B3@3531.5,6342.52
FPGA-CLK-SRC_N: U5.52 U13.1
  other v3: 3551.18,2299.21
FPGA-CLK-SRC_P: U5.51 U13.4
  other v3: 3551.18,2330.71
FPGA-JTAG-TCK-3V3: U14.AK5 U15.9
FPGA-JTAG-TDI-3V3: U14.AJ5 U15.11
FPGA-JTAG-TDO-3V3: R42.1 U14.AG5 U15.12
FPGA-JTAG-TMS-3V3: U14.AM5 U15.10
FPGA-JTAG.TDIA: J7A.9 J7B.7
FPGA-JTAG.TDIB: J7B.9 J7C.7
FPGA-JTAG.TDO: J6.7 J7C.9
FPGA_DONE: U14.AJ4 U22.11
FPGA_DONE_BUF: J6.13 U22.2
FPGA_INIT: R40.1 U14.AG4 U22.12
FPGA_INIT_BUF: J6.14 U22.1
FPGA_PROG_N: R41.1 U14.AH4 U22.10
FPGA_PROG_N_BUF: J6.12 U22.3
FPGA_TCK: J6.6 U15.4
FPGA_TCKA: J7A.6 R72A.2 U19A.AK5 | length 22.3
  Top Layer w5: v1(3578.74,5444.88) U19A.AK5@3594.49,5460.63
FPGA_TCKB: J7B.6 R72B.2 U19B.AK5 | length 22.3
  Top Layer w5: v1(720.47,5444.88) U19B.AK5@736.22,5460.63
FPGA_TCKC: J7C.6 R72C.2 U19C.AK5 | length 22.3
  Top Layer w5: v1(2216.54,5444.88) U19C.AK5@2232.28,5460.63
FPGA_TDI: J6.10 U15.2
FPGA_TDIA: J7A.10 R70A.1 U19A.AJ5 | length 22.3
  Top Layer w5: v1(3578.74,5476.38) U19A.AJ5@3594.49,5492.13
FPGA_TDIB: J7B.10 R70B.1 U19B.AJ5 | length 22.3
  Top Layer w5: v1(720.47,5476.38) U19B.AJ5@736.22,5492.13
FPGA_TDIC: J7C.10 R70C.1 U19C.AJ5 | length 22.3
  Top Layer w5: v1(2216.54,5476.38) U19C.AJ5@2232.28,5492.13
FPGA_TDO: J6.8 U15.1
FPGA_TDOA: J7A.8 R71A.1 U19A.AG5 | length 22.3
  Top Layer w5: v1(3578.74,5539.37) U19A.AG5@3594.49,5555.12
FPGA_TDOB: J7B.8 R71B.1 U19B.AG5 | length 22.3
  Top Layer w5: v1(720.47,5539.37) U19B.AG5@736.22,5555.12
FPGA_TDOC: J7C.8 R71C.1 U19C.AG5 | length 22.3
  Top Layer w5: v1(2216.54,5539.37) U19C.AG5@2232.28,5555.12
FPGA_TMS: J6.4 U15.3
FPGA_TMSA: J7A.4 R68A.1 U19A.AM5 | length 32.1
  Top Layer w4.72: 3594.49,5365.55 U19A.AM5@3594.49,5397.64
FPGA_TMSB: J7B.4 R68B.1 U19B.AM5 | length 32.1
  Top Layer w4.72: 736.22,5365.55 U19B.AM5@736.22,5397.64
FPGA_TMSC: J7C.4 R68C.1 U19C.AM5 | length 32.1
  Top Layer w4.72: 2232.28,5365.55 U19C.AM5@2232.28,5397.64
FPGA_VREF: F2.2 J6.2
FPGA_VREFA: F4A.2 J7A.2
FPGA_VREFB: F4B.2 J7B.2
FPGA_VREFC: F4C.2 J7C.2
FPGACFG0.CCLK: R76C.2 U14.C30 U19C.AM3 | length 32.1
  Top Layer w4.72: 2169.29,5365.55 U19C.AM3@2169.29,5397.64
FPGACFG0.DI: U14.D29 U19C.AJ3 | length 22.3
  Top Layer w5: v1(2153.54,5476.38) U19C.AJ3@2169.29,5492.13
FPGACFG0.DONE: U14.C29 U19C.AJ4 | length 22.3
  Top Layer w5: v1(2185.04,5476.38) U19C.AJ4@2200.79,5492.13
FPGACFG0.DOUT: U14.E29 U19C.AK3 | length 22.3
  Top Layer w5: v1(2153.54,5444.88) U19C.AK3@2169.29,5460.63
FPGACFG0.INITN: R67C.1 U14.D28 U19C.AG4 | length 22.3
  Top Layer w5: v1(2185.04,5539.37) U19C.AG4@2200.79,5555.12
FPGACFG0.PROGN: R69C.1 U14.C28 U19C.AH4 | length 22.3
  Top Layer w5: v1(2185.04,5507.87) U19C.AH4@2200.79,5523.62
FPGACFG1.CCLK: R76B.2 U14.C31 U19B.AM3 | length 32.1
  Top Layer w4.72: 673.23,5365.55 U19B.AM3@673.23,5397.64
FPGACFG1.DI: U14.D30 U19B.AJ3 | length 22.3
  Top Layer w5: v1(657.48,5476.38) U19B.AJ3@673.23,5492.13
FPGACFG1.DONE: U14.B32 U19B.AJ4 | length 22.3
  Top Layer w5: v1(688.98,5476.38) U19B.AJ4@704.72,5492.13
FPGACFG1.DOUT: U14.D31 U19B.AK3 | length 22.3
  Top Layer w5: v1(657.48,5444.88) U19B.AK3@673.23,5460.63
FPGACFG1.INITN: R67B.1 U14.F28 U19B.AG4 | length 22.3
  Top Layer w5: v1(688.98,5539.37) U19B.AG4@704.72,5555.12
FPGACFG1.PROGN: R69B.1 U14.F29 U19B.AH4 | length 22.3
  Top Layer w5: v1(688.98,5507.87) U19B.AH4@704.72,5523.62
FPGACFG2.CCLK: R76A.2 U14.D32 U19A.AM3 | length 32.1
  Top Layer w4.72: 3531.5,5365.55 U19A.AM3@3531.5,5397.64
FPGACFG2.DI: U14.F31 U19A.AJ3 | length 22.3
  Top Layer w5: v1(3515.75,5476.38) U19A.AJ3@3531.5,5492.13
FPGACFG2.DONE: U14.C32 U19A.AJ4 | length 22.3
  Top Layer w5: v1(3547.24,5476.38) U19A.AJ4@3562.99,5492.13
FPGACFG2.DOUT: U14.E32 U19A.AK3 | length 22.3
  Top Layer w5: v1(3515.75,5444.88) U19A.AK3@3531.5,5460.63
FPGACFG2.INITN: R67A.1 U14.E30 U19A.AG4 | length 22.3
  Top Layer w5: v1(3547.24,5539.37) U19A.AG4@3562.99,5555.12
FPGACFG2.PROGN: R69A.1 U14.F30 U19A.AH4 | length 22.3
  Top Layer w5: v1(3547.24,5507.87) U19A.AH4@3562.99,5523.62
FPGACFG3.CCLK: U14.H30
FPGACFG3.DI: U14.J30
FPGACFG3.DONE: U14.H31
FPGACFG3.DOUT: U14.K30
FPGACFG3.INITN: U14.H32
FPGACFG3.PROGN: U14.F32
FPGACFG4.CCLK: U14.L32
FPGACFG4.DI: U14.L31
FPGACFG4.DONE: U14.K32
FPGACFG4.DOUT: U14.L30
FPGACFG4.INITN: U14.J32
FPGACFG4.PROGN: U14.K31
FPGACFG5.CCLK: U14.H28
FPGACFG5.DI: U14.J26
FPGACFG5.DONE: U14.H27
FPGACFG5.DOUT: U14.J27
FPGACFG5.INITN: U14.K29
FPGACFG5.PROGN: U14.J29
FPGACFG6.CCLK: U14.L29
FPGACFG6.DI: U14.N30
FPGACFG6.DONE: U14.K28
FPGACFG6.DOUT: U14.N29
FPGACFG6.INITN: U14.K26
FPGACFG6.PROGN: U14.K27
FPGACFG7.CCLK: U14.N26
FPGACFG7.DI: U14.P27
FPGACFG7.DONE: U14.N27
FPGACFG7.DOUT: U14.P26
FPGACFG7.INITN: U14.L27
FPGACFG7.PROGN: U14.L26